# Altium PCB Srt.PcbDoc (part 2 of 2)
Units mm, origin at the board's own origin, x right, y up, seen from the top; angles counter-clockwise.
Board outline 65.29 x 47.26 mm, 2 copper layers (Top Layer, Bottom Layer); 197 components, 133 nets, 629 pads, 293 vias.
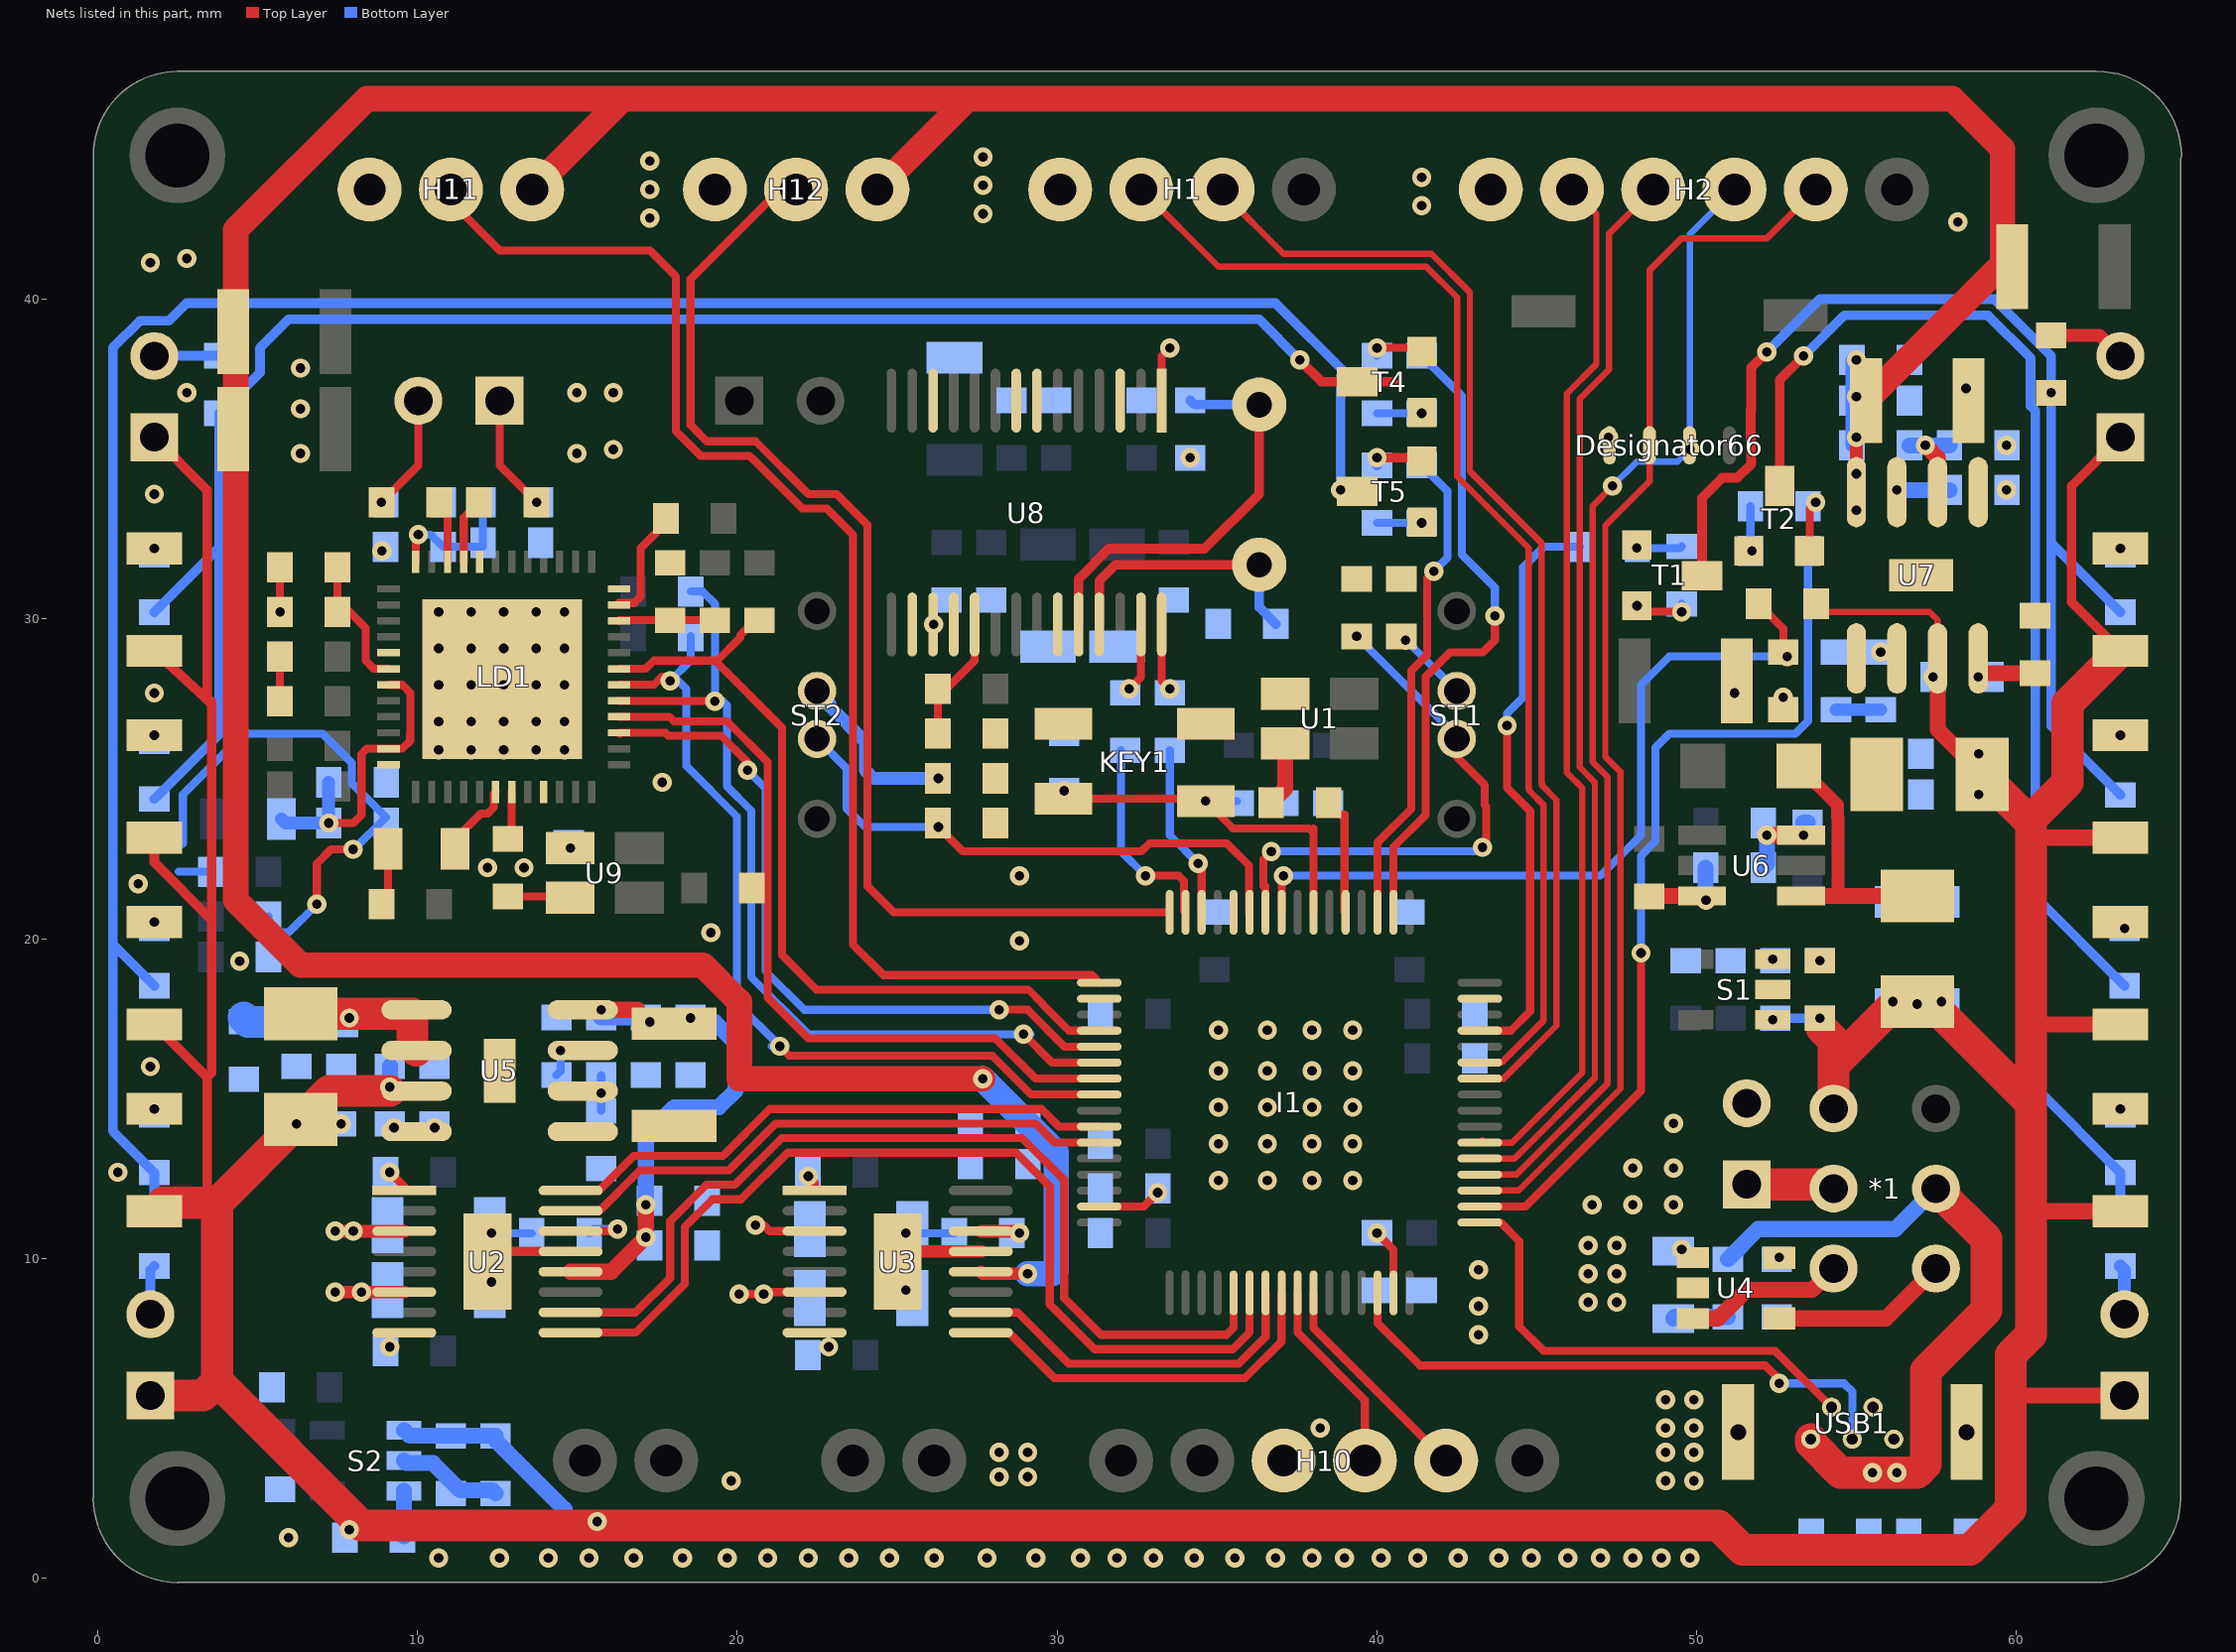
[diagram p2: the nets of this part, all layers, seen from the top]

## Via types
v1: diameter 0.6, hole 0.3, Top Layer to Bottom Layer, 293 vias

## Nets (pads, with @x,y where several pads share a name; then routed paths per layer and width w, separated by ;. In a path a pad name is that pad's centre, name@x,y a point inside that pad or via, vN(x,y) a via of type N, cw(c..) or ccw(c..) an arc to the next point about the centre after c; other vN are vias at no path point) (continued)
GND: C1.1 C2.1 C3.2 C4.1 C5.1 C6.1 C7.1 C8.1 C9.1 C10.1 C11.1 C12.2 C13.2 C14.2 C15.2 C16.2 C17.2 C18.1 C19.1 C20.1 C21.1 C22.1 C23.1 C24.1 C25.1 C26.1 C27.1 C28.2 C29.1 C30.1 C31.1 C32.1 C34.1 C35.1 C36.1 C37.1 C38.1 C39.2 C40.1 C41.1 C42.1 C43.1 C44.1 C45.1 C46.1 C47.1 C48.1 C49.1 C50.1 C51.1 C52.1 C53.1 C54.1 C55.1 C56.2 C57.2 C58.1 C59.1 C60.1 C61.1 C62.1 C63.2 C65.2 C67.1 C68.1 C69.1 Designator66.1 H1.4 H2.6 H10.3 H11.3 H12.3 H13.2 I1.12 I1.18 I1.63 KEY1.1 LD1.8 LD1.17 LD1.24 LD1.33 LD1.49 pad.0@12.573,15.875 pad.1@57.023,31.369 R3.2 R4.2 R5.1 R6.1 R7.1 R8.1 R27.1 R28.1 R30.1 R31.1 R33.2 R34.2 R37.2 R38.2 R40.1 R43.1 R48.2 R51.1 R52.1 R55.2 R57.1 R62.2 R65.2 S1.2 S2.2 T1.2 T2.2 T4.2 T5.2 U1.2 U2.13 U2.18 U3.13 U3.18 U4.2 U5.5 U6.3 U7.5 U8.1 U8.3 U8.7 U8.8 U8.12 U8.16 U8.17 U8.18 U8.23 U9.2 USB1.4 USB1.5 USB1.6 | length 40.2
  Top Layer w0.254: C68.1@5.704,31.623 C69.1@5.704,30.226 v1(5.715,30.226) ; v1(6.858,21.082) 6.858,22.352 7.304,22.798 v1(7.986,22.798) ; U8.17@26.124,29.83 v1(26.147,29.83) ; U8.1@33.274,36.83 33.274,38.227 v1(33.528,38.481) ; v1(40.005,38.481) 41.291,38.481 T4.2@41.411,38.362 ; T1.2@48.324,30.226 v1(49.53,30.226) ; T2.2@53.531,32.131 53.531,33.465 v1(53.721,33.655)
  Top Layer w0.3: U2.18@12.509,10.223 U2.13@14.792,10.223 ; v1(40.005,35.052) 41.291,35.052 T5.2@41.411,34.933
  Top Layer w0.4: U3.18@25.336,10.223 U3.13@27.619,10.223
  Top Layer w0.5: C34.1@48.53,21.341 U6.3@50.165,21.341
  Bottom Layer w0.254: 2.54,22.098 C62.1@3.545,22.098 ; 2.667,22.976 2.667,24.511 4.572,26.416 7.041,26.416 7.955,25.502 7.955,24.861 9.017,23.799 8.001,22.783 v1(7.986,22.798) ; C58.1@5.345,20.701 5.345,20.204 5.98,20.204 v1(6.858,21.082) ; v1(12.319,10.795) C12.2@13.578,10.795 ; R37.2@25.603,10.795 C15.2@26.786,10.795 ; C57.2@34.163,35.041 v1(34.163,35.052) ; R30.1@40.005,38.238 v1(40.005,38.481) ; v1(49.53,30.226) R27.1@49.53,30.469
  Bottom Layer w0.3: R31.1@40.005,34.809 v1(40.005,35.052)
  Bottom Layer w0.5: S2.2@9.582,3.683 9.659,3.606 10.491,3.606 11.345,2.752 12.35,2.752 C25.1@12.446,2.656 ; R52.1@50.281,22.225 50.281,21.22 v1(50.292,21.209)
  other v1: 10.668,0.635 12.573,0.635 14.097,0.635 15.367,0.635 16.764,0.635 18.288,0.635 19.685,0.635 20.955,0.635 22.225,0.635 23.495,0.635 24.765,0.635 26.162,0.635 27.813,0.635 29.337,0.635 30.734,0.635 31.877,0.635 33.02,0.635 34.29,0.635 35.56,0.635 36.83,0.635 37.973,0.635 38.989,0.635 40.132,0.635 41.275,0.635 42.545,0.635 43.815,0.635 44.831,0.635 45.974,0.635 46.99,0.635 48.006,0.635 48.895,0.635 49.784,0.635 5.969,1.27 19.812,3.048 49.022,3.048 49.911,3.048 28.194,3.175 29.083,3.175 28.194,3.937 29.083,3.937 49.022,3.937 49.911,3.937 38.227,4.699 49.022,4.699 49.911,4.699 49.022,5.588 49.911,5.588 43.18,7.62 43.18,8.509 46.609,8.636 47.498,8.636 25.273,9.017 12.319,9.271 46.609,9.525 47.498,9.525 43.18,9.652 46.609,10.414 47.498,10.414 25.273,10.795 46.736,11.684 48.006,11.684 49.276,11.684 35.052,12.446 36.576,12.446 37.973,12.446 39.243,12.446 0.635,12.7 48.006,12.827 49.276,12.827 35.052,13.589 36.576,13.589 37.973,13.589 39.243,13.589 49.276,14.224 35.052,14.732 36.576,14.732 37.973,14.732 39.243,14.732 35.052,15.875 36.576,15.875 37.973,15.875 39.243,15.875 1.651,16.002 35.052,17.145 36.576,17.145 37.973,17.145 39.243,17.145 4.445,19.304 53.848,19.315 28.829,19.939 19.177,20.193 1.27,21.717 28.829,21.971 12.192,22.225 13.335,22.225 14.783,22.835 17.653,24.892 10.668,25.908 11.684,25.908 12.7,25.908 13.716,25.908 14.605,25.908 10.668,26.797 11.684,26.797 12.7,26.797 13.716,26.797 14.605,26.797 52.705,27.559 1.778,27.686 51.181,27.686 10.668,27.94 11.684,27.94 12.7,27.94 13.716,27.94 14.605,27.94 10.668,29.083 11.684,29.083 12.7,29.083 13.716,29.083 14.605,29.083 10.668,30.226 11.684,30.226 12.7,30.226 13.716,30.226 14.605,30.226 48.133,30.416 8.89,32.131 1.778,33.909 59.69,34.036 6.35,35.179 14.986,35.179 16.129,35.306 59.69,35.433 47.244,35.687 6.35,36.576 2.794,37.084 14.986,37.084 16.129,37.084 58.42,37.211 6.35,37.846 1.651,41.148 2.794,41.275 58.166,42.418 17.272,42.545 27.686,42.672 41.402,42.926 17.272,43.434 27.686,43.561 41.402,43.815 17.272,44.323 27.686,44.45
HALL_T1CH1: H10.4 I1.41 | length 6.1
  Top Layer w0.254: I1.41@37.521,8.928 37.521,7.684 39.624,5.581 H10.4@39.624,3.683
HALL_T1CH2: H10.5 I1.42 | length 7
  Top Layer w0.254: I1.42@38.021,8.928 38.021,7.826 H10.5@42.164,3.683
IIC_SCL: H2.4 I1.53 | length 33.6
  Top Layer w0.2: I1.53@43.221,13.128 44.301,13.128 46.817,15.644 46.817,24.889 46.342,25.364 46.342,36.886 47.263,37.807 47.263,42.056 H2.4@48.641,43.434
IIC_SDA: H2.5 I1.54 | length 32.7
  Top Layer w0.2: I1.54@43.296,13.703 I1.54@43.221,13.628 44.235,13.628 46.417,15.81 46.417,24.723 45.942,25.198 45.942,37.052 46.863,37.973 46.863,42.672 H2.5@46.101,43.434
LD_CLK: LD1.31 R63.2 | length 1.5
  Top Layer w0.25: R63.2@12.827,23.125 12.95,23.248 LD1.31@12.95,24.594
LD_IRQ: LD1.48
LD_MD: LD1.46 R64.1 R65.1 | length 3
  Top Layer w0.25: LD1.46@16.3,29.944 16.317,29.961 R65.1@17.907,29.961 R64.1@19.304,29.961
LD_MICN: C66.2 H14.2 R62.1 | length 3.7
  Top Layer w0.25: v1(8.879,33.655) 10.033,34.809 H14.2@10.033,36.83
LD_MICP: C64.2 H14.1 R61.1 | length 3.7
  Top Layer w0.25: H14.1@12.573,36.83 12.573,34.809 v1(13.727,33.655)
LD_RST: LD1.47 R66.2 | length 3.6
  Top Layer w0.254: LD1.47@16.3,30.444 16.3,30.502 16.785,30.502 16.977,30.694 16.977,32.217 17.769,33.009 R66.2@17.769,33.147
LD_WR: I1.24 LD1.42 R71.2 | length 27.4
  Top Layer w0.25: LD1.42@16.3,27.944 17.395,27.944 17.645,28.194 17.907,28.194 v1(17.907,28.067) ; v1(21.336,16.637) 21.627,16.346 27.976,16.346 29.194,15.128 I1.24@31.321,15.128
  Bottom Layer w0.25: R71.2@18.553,29.464 18.553,28.713 v1(17.907,28.067) 18.161,28.067 18.415,27.813 18.415,25.4 19.986,23.829 19.986,18.619 19.997,18.608 19.997,17.976 v1(21.336,16.637) v1@21.082,16.637
LED1: I1.2 R25.2 | length 20.3
  Top Layer w0.254: I1.2@40.521,20.828 40.521,22.868 41.529,23.876 41.529,28.194 42.291,28.956 43.307,28.956 43.688,29.337 v1(43.688,30.099)
  Bottom Layer w0.254: R25.2@41.402,38.238 42.658,36.982 42.658,32.018 43.688,30.988 v1(43.688,30.099)
LED2: I1.3 R26.2 | length 15.3
  Top Layer w0.254: I1.3@40.021,20.828 40.021,23.01 41.075,24.064 41.075,28.382 41.573,28.88 41.573,31.286 v1(41.783,31.496) v1@41.7,31.496
  Bottom Layer w0.254: R26.2@41.402,34.809 42.204,34.007 42.204,31.917 v1(41.783,31.496)
LED3: I1.61 R22.2 | length 18.2
  Top Layer w0.254: I1.61@43.221,17.128 44.186,17.128 44.79,17.732 44.79,24.003 44.069,24.724 v1(44.069,26.67)
  Bottom Layer w0.254: v1(44.069,26.67) 44.069,27.051 44.577,27.559 44.577,31.623 45.212,32.258 R22.2@46.344,32.258
LED4: I1.50 R23.2 | length 27.9
  Top Layer w0.254: I1.50@43.221,11.628 44.648,11.628 48.26,15.24 v1(48.26,19.558)
  Bottom Layer w0.254: v1(48.26,19.558) 48.26,22.602 48.712,23.054 48.712,25.979 49.149,26.416 53.086,26.416 53.478,26.808 R23.2@53.478,32.131
MBS: C63.1 C65.1 LD1.12 R61.2 | length 4.4
  Top Layer w0.25: LD1.12@9.95,31.794 9.95,32.556 v1(10.033,32.639)
  Bottom Layer w0.25: v1(10.033,32.639) 10.425,32.639 C65.1@10.806,32.258 ; C65.1@10.817,32.269 12.054,32.269 R61.2@12.054,33.655
MICN: C66.1 LD1.10 | length 2
  Top Layer w0.25: C66.1@10.679,33.655 10.947,33.387 LD1.10@10.947,31.794
MICP: C64.1 LD1.9 | length 2.1
  Top Layer w0.25: LD1.9@11.45,31.794 11.45,33.178 C64.1@11.927,33.655
Net*1_2: *1.2 U4.4 | length 5.5
  Top Layer w0.5: U4.4@52.578,8.128 55.916,8.128 *1.2@57.48,9.692
Net*1_4: *1.4 H13.1 | length 2.8
  Top Layer w1: H13.1@51.562,12.319 54.153,12.319 *1.4@54.28,12.192
Net*1_5: *1.5 U4.3 | length 5
  Top Layer w0.5: U4.3@49.878,8.128 50.673,8.128 51.562,9.017 53.605,9.017 *1.5@54.28,9.692
NetC12_1: C12.1 U2.14 | length 2.4
  Top Layer w0.254: U2.14@14.792,10.858 16.192,10.858 v1(16.256,10.922)
  Bottom Layer w0.254: C12.1@15.378,10.795 15.505,10.922 v1(16.256,10.922)
NetC15_1: C15.1 U3.14 | length 1.2
  Top Layer w0.4: U3.14@27.619,10.858 28.765,10.858 v1(28.829,10.795)
NetC28_1: C28.1 R46.2 | length 1.4
  Bottom Layer w1: C28.1@4.572,17.537 4.71,17.399 R46.2@5.958,17.399
NetC33_1: C33.1 R50.1 R52.2 U6.6 | length 2.3
  Top Layer w0.5: v1(52.197,23.241) U6.6@53.265,23.241 v1(53.34,23.241)
  Bottom Layer w0.5: R52.2@52.081,22.225 52.197,22.341 v1(52.197,23.241) ; C33.1@53.34,23.633 C33.1@53.467,23.633
NetC38_2: C38.2 R49.2 U5.4
  other v1: 9.271,14.097 10.541,14.097
NetC39_1: C39.1 R53.2 | length 1.4
  Bottom Layer w0.4: C39.1@54.356,27.167 R53.2@55.753,27.167
NetC45_2: C45.2 R56.2 U7.4 | length 2.4
  Top Layer w0.4: v1(58.801,28.194) U7.4@58.801,28.769
  Top Layer w0.5: v1(58.801,28.194) 58.917,28.31 C45.2@60.579,28.31
NetC56_1: C56.1 U8.25 X1.2 | length 8.6
  Top Layer w0.3: U8.25@31.324,29.83 31.324,31.197 31.826,31.699 X1.2@36.322,31.699
  Bottom Layer w0.3: X1.2@36.322,31.699 36.322,30.364 C56.1@36.841,29.845
NetC57_1: C57.1 U8.24 X1.1 | length 13.2
  Top Layer w0.3: U8.24@30.674,29.83 30.674,31.254 31.619,32.199 34.612,32.199 36.322,33.909 X1.1@36.322,36.703
  Bottom Layer w0.3: C57.1@34.163,36.841 34.301,36.703 X1.1@36.322,36.703
NetC70_1: C70.1 R72.1 | length 1.4
  Top Layer w0.25: R72.1@5.704,27.432 C70.1@5.704,28.829
NetD1_1: D1.1 L11.2 U6.4 | length 8.2
  Top Layer w0.4: D1.1@53.189,25.4 54.401,24.188 54.401,23.816 54.415,23.802 54.415,21.404 54.483,21.336
  Top Layer w0.5: U6.4@53.265,21.341 53.27,21.336 54.483,21.336 L11.2@56.896,21.336
NetH3_2: H3.2 R17.2 | length 2.4
  Top Layer w0.4: R17.2@61.087,38.873 62.6,38.873 H3.2@63.246,38.227
NetH4_2: H4.2 R18.2 | length 1.6
  Bottom Layer w0.4: R18.2@63.246,9.768 63.373,9.641 H4.2@63.373,8.255
NetH6_2: H6.2 R20.2 | length 2
  Bottom Layer w0.3: H6.2@1.778,38.227 1.789,38.238 R20.2@3.81,38.238
NetH7_2: H7.2 R21.2 | length 1.6
  Bottom Layer w0.3: H7.2@1.651,8.255 1.651,9.641 R21.2@1.778,9.768
NetL1_2: L1.2 R9.2
  other v1: 63.246,32.207
NetL2_2: L2.2 R10.2
  other v1: 63.246,26.365
NetL3_2: L3.2 R11.2
  other v1: 63.246,14.681
NetL4_2: L4.2 R12.2
  other v1: 63.373,20.32
NetL5_2: L5.2 R13.2
  other v1: 1.778,32.207
NetL6_2: L6.2 R14.2
  other v1: 1.778,26.365
NetL7_2: L7.2 R15.2
  other v1: 1.778,20.523
NetL8_2: L8.2 R16.2
  other v1: 1.778,14.681
NetL9_1: L9.1 R41.1 | length 1.7
  Bottom Layer w0.5: L9.1@49.272,8.13 49.321,8.178 R41.1@50.974,8.178
NetL9_2: L9.2 U4.1
  other v1: 49.53,10.287
NetL10_2: L10.2 R46.1 U5.1 U5.2 | length 4.7
  Top Layer w1: L10.2@6.35,17.653 9.846,17.653 9.846,16.637 U5.2@9.973,16.51
  other v1: 7.874,17.526
NetL12_2: L12.2 R53.1 U7.1 U7.2
  other v1: 55.753,28.967
NetL14_1: L14.1 R68.1 | length 1.5
  Top Layer w0.25: R68.1@9.085,21.288 L14.1@9.085,22.809
NetL14_2: L14.2 LD1.30 | length 2.4
  Top Layer w0.25: L14.2@11.185,22.809 11.185,23.123 11.981,23.919 12.2,23.919 12.39,24.109 12.39,24.534 LD1.30@12.45,24.594
NetR2_1: R2.1 U1.3 | length 2
  Top Layer w0.5: R2.1@36.692,24.257 37.135,24.7 U1.3@37.135,26.111
NetR5_2: R5.2 ST1.2 | length 2.3
  Bottom Layer w0.25: v1(40.894,29.337) 40.913,29.337 ST1.2@42.5,27.75
NetR7_2: R7.2 ST2.2 | length 5.5
  Bottom Layer w0.4: ST2.2@22.5,27.75 22.914,27.336 22.914,27.25 24.003,26.161 24.003,25.273 24.257,25.019 v1(26.289,25.019)
NetR9_1: R9.1 R10.1 R17.1 T1.3 | length 36.1
  Top Layer w0.3: T1.3@50.165,31.356 50.165,33.782 50.8,34.417 51.276,34.417 51.704,34.845 51.704,35.59 51.689,35.605 51.689,36.546 51.704,36.561 51.704,37.861 v1(52.197,38.354)
  Bottom Layer w0.3: v1(52.197,38.354) 53.848,40.005 59.309,40.005 61.087,38.227 v1(61.087,37.084) 61.087,32.374 ; R10.1@63.246,24.5 61.087,26.659 61.087,32.374 ; R9.1@63.246,30.215 61.087,32.374
NetR11_1: R11.1 R12.1 R18.1 T2.3 | length 44.3
  Top Layer w0.3: T2.3@52.591,34.163 52.591,37.478 v1(53.34,38.227)
  Bottom Layer w0.3: v1(53.34,38.227) 54.61,39.497 59.11,39.497 60.437,38.17 60.437,36.665 60.587,36.515 60.587,21.317 ; R18.1@63.246,11.568 R11.1@63.246,12.689 60.587,15.348 60.587,21.317 ; R12.1@63.373,18.531 60.587,21.317
NetR13_1: R13.1 R14.1 R20.1 T4.3 | length 55
  Top Layer w0.3: v1(37.592,38.1) 38.27,37.422 40.522,37.422
  Bottom Layer w0.3: R14.1@1.778,24.373 3.81,26.405 3.81,32.247 ; R13.1@1.778,30.215 3.81,32.247 ; v1(37.592,38.1) 36.314,39.378 5.977,39.378 5.08,38.481 5.08,37.708 R20.1@3.81,36.438 3.81,32.247
NetR15_1: R15.1 R16.1 R21.1 T5.3 | length 73.1
  Top Layer w0.3: v1(38.862,34.036) T5.3@38.914,33.984 ; T5.3@39.37,33.984 T5.3@39.379,33.993
  Bottom Layer w0.3: R21.1@1.778,11.568 R16.1@1.778,12.689 0.477,13.99 0.477,19.832 ; R15.1@1.778,18.531 0.477,19.832 ; v1(38.862,34.036) 38.862,37.592 ; 39.116,37.592 36.83,39.878 2.785,39.878 2.234,39.327 1.322,39.327 0.477,38.482 0.477,19.832
NetR22_1: R22.1 R27.2 T1.1 | length 1.4
  Bottom Layer w0.254: v1(48.13,32.219) 49.48,32.219 R27.2@49.53,32.269
NetR23_1: R23.1 R28.2 T2.1 | length 1.5
  Top Layer w0.254: T2.1@51.626,32.131 v1(51.725,32.131)
  Bottom Layer w0.254: R23.1@51.678,32.131 R28.2@51.678,33.528
NetR25_1: R25.1 R30.2 T4.1 | length 1.4
  Bottom Layer w0.254: R30.2@40.005,36.438 v1(41.402,36.438)
NetR26_1: R26.1 R31.2 T5.1 | length 1.4
  Bottom Layer w0.254: R31.2@40.005,33.009 v1(41.402,33.009)
NetR32_1: R32.1 U2.1 | length 0.8
  Top Layer w0.254: v1(9.144,12.7) 9.592,12.252 U2.1@9.592,12.128
NetR33_1: R33.1 U2.3 | length 2.2
  Top Layer w0.4: v1(7.429,10.858) U2.3@9.592,10.858
  other v1: 8.001,10.858
NetR34_1: R34.1 U2.6 | length 2.2
  Top Layer w0.4: v1(7.429,8.954) U2.6@9.592,8.954
  other v1: 8.255,8.954
NetR35_1: R35.1 U2.8
  other v1: 9.144,7.239
NetR36_1: R36.1 U3.1 | length 0.5
  Top Layer w0.254: v1(22.225,12.573) 22.419,12.379 U3.1@22.419,12.128
NetR37_1: R37.1 U3.3 | length 1.9
  Top Layer w0.254: v1(20.574,11.049) 20.828,11.049 21.018,10.858 U3.3@22.419,10.858
NetR38_1: R38.1 U3.6 | length 2.4
  Top Layer w0.254: v1(20.066,8.89) v1(20.828,8.89) 20.892,8.954 U3.6@22.419,8.954
NetR39_1: R39.1 U3.8
  other v1: 22.86,7.239
NetR40_2: R40.2 U4.5 | length 0
  Top Layer w0.5: U4.5@52.578,10.028 v1(52.583,10.033)
NetR44_1: R44.1 S1.3
  other v1: 52.381,19.365
NetR45_1: R45.1 S2.3 | length 1.4
  Bottom Layer w0.5: R45.1@9.582,1.316 S2.3@9.582,2.733
NetR47_1: R47.1 R51.2 U5.6 | length 1.1
  Bottom Layer w0.25: R51.2@15.748,14.616 R47.1@15.748,15.737
  other v1: 15.748,15.176
NetR48_1: R48.1 U5.7 | length 1.5
  Top Layer w0.25: v1(14.478,16.51) U5.7@15.173,16.51
  Bottom Layer w0.25: R48.1@14.351,15.737 14.478,15.864 v1(14.478,16.51)
NetR54_1: R54.1 R57.2 U7.6 | length 2.2
  Top Layer w0.5: v1(57.15,35.433) 57.531,35.052 U7.6@57.531,34.671
  Bottom Layer w0.5: R54.1@56.653,35.433 v1(57.15,35.433) R57.2@57.901,35.433
NetR55_1: R55.1 U7.7 | length 1.6
  Bottom Layer w0.5: v1(56.261,34.036) R55.1@57.901,34.036
NetR63_1: R63.1 U9.3 | length 2
  Top Layer w0.25: R63.1@12.827,21.325 14.743,21.325 U9.3@14.783,21.285
NRST: C3.1 I1.7 KEY1.2 R1.2 | length 11.7
  Top Layer w0.25: KEY1.2@30.226,24.384 KEY1.2@34.569,24.384 ; v1(34.646,24.308) 35.496,23.457 37.884,23.457 38.021,23.32 ; I1.7@38.021,20.828 38.021,23.447
  Bottom Layer w0.25: v1(34.646,24.308) R1.2@35.625,24.308
  other v1: 30.226,24.627
OSC_IN: I1.5 R2.2 | length 3.8
  Top Layer w0.25: R2.2@38.492,24.257 38.989,23.76 ; 38.989,23.887 38.989,20.86 I1.5@39.021,20.828
RST: C51.2 R58.1 U8.19 | length 3.9
  Top Layer w0.254: C51.2@26.278,26.416 26.278,27.548 27.424,28.694 U8.19@27.424,29.83
RXD: R59.1 U8.28 | length 2.1
  Top Layer w0.25: U8.28@33.274,29.83 33.274,28.067 v1(33.528,27.813)
SPI_CS: I1.20 LD1.43 R67.2 | length 25.9
  Top Layer w0.25: LD1.43@16.3,28.444 17.141,28.444 17.399,28.702 19.304,28.702 ; R67.2@20.563,29.961 20.104,29.502 20.104,29.426 19.38,28.702 19.304,28.702 ; I1.20@31.321,17.128 30.371,17.128 29.543,17.956 29.543,17.977 29.105,18.415 22.479,18.415 21.405,19.489 21.405,26.601 19.304,28.702
SPI_MISO: I1.22 LD1.41 R69.2 | length 28.4
  Top Layer w0.25: LD1.41@16.3,27.444 16.302,27.442 v1@19.294,27.442 ; v1(28.956,17.018) 29.846,16.128 I1.22@31.321,16.128
  Bottom Layer w0.25: R69.2@18.553,30.861 18.923,30.861 19.304,30.48 v1(19.304,27.432) 19.558,27.432 19.685,27.305 19.685,24.766 20.436,24.015 20.436,18.806 22.224,17.018 v1@29.174,17.018
SPI_MOSI: I1.23 LD1.40 R70.2 | length 24
  Top Layer w0.25: LD1.40@16.3,26.944 17.887,26.944 18.024,26.807 19.675,26.807 20.955,25.527 20.955,18.161 22.225,16.891 28.067,16.891 29.33,15.628 I1.23@31.321,15.628
SPI_SCK: I1.21 LD1.39 | length 22.6
  Top Layer w0.25: LD1.39@16.324,26.421 LD1.39@16.3,26.444 17.751,26.444 17.838,26.357 19.489,26.357 20.32,25.526 v1(20.32,25.273) ; v1(28.194,17.78) 28.205,17.791 29.093,17.791 29.093,17.77 30.235,16.628 I1.21@31.321,16.628
  Bottom Layer w0.25: v1(20.32,25.273) 20.886,24.707 20.886,18.992 22.098,17.78 v1(28.194,17.78)
ST_ADC1: I1.10 R6.2 ST1.3 | length 17.1
  Top Layer w0.25: I1.10@36.521,20.828 36.521,21.65 36.459,21.65 36.459,22.489 v1(36.703,22.733) ; R6.2@39.37,29.453 v1(39.37,29.464) ; ST1.3@42.5,26.25 42.5,25.688 43.376,24.812 43.376,24.182 43.425,24.133 43.425,23.105 43.307,22.987 v1(43.307,22.86)
  Bottom Layer w0.25: v1(36.703,22.733) 43.18,22.733 v1(43.307,22.86) ; v1(39.37,29.464) 42.5,26.334 ST1.3@42.5,26.25
ST_ADC2: I1.11 R8.2 ST2.3 | length 17.6
  Top Layer w0.25: v1(26.289,23.495) 27.051,22.733 32.639,22.733 32.893,22.987 35.306,22.987 36.009,22.284 36.009,20.828 I1.11@36.021,20.828
  Bottom Layer w0.25: ST2.3@22.5,26.25 23.425,25.325 23.425,24.073 24.003,23.495 v1(26.289,23.495)
SWCLK: I1.49 USB1.2 | length 14.9
  Top Layer w0.254: I1.49@43.221,11.128 43.863,11.128 44.45,10.541 44.45,7.874 45.212,7.112 52.454,7.112 USB1.2@54.214,5.352
SWDIO: I1.46 USB1.3 | length 18.3
  Top Layer w0.254: I1.46@40.021,8.928 40.021,7.985 41.348,6.658 52.143,6.658 52.578,6.223 v1(52.578,6.096) ; USB1.3@54.864,4.318 USB1.3@54.864,4.352
  Bottom Layer w0.254: v1(52.578,6.096) 54.61,6.096 54.864,5.842 USB1.3@54.864,4.352
T3CH1: I1.37 U2.10 | length 29.9
  Top Layer w0.254: U2.10@14.792,8.319 16.828,8.319 17.907,9.398 17.907,11.176 19.038,12.307 19.934,12.307 21.395,13.768 28.904,13.768 30.226,12.446 30.226,8.763 31.369,7.62 35.306,7.62 35.521,7.835 I1.37@35.521,8.928
T3CH2: I1.38 U2.9 | length 30.8
  Top Layer w0.254: U2.9@14.792,7.683 16.835,7.683 18.361,9.21 18.361,10.988 19.226,11.853 20.122,11.853 21.583,13.314 28.716,13.314 29.772,12.258 29.772,8.575 31.181,7.166 35.494,7.166 36.021,7.693 I1.38@36.021,8.928
T3CH3: I1.26 U2.16 | length 16.9
  Top Layer w0.254: U2.16@15.684,12.128 16.771,13.215 19.558,13.215 21.019,14.676 29.514,14.676 30.062,14.128 I1.26@31.321,14.128
T3CH4: I1.27 U2.15 | length 17.9
  Top Layer w0.254: U2.15@14.792,11.493 15.692,11.493 16.959,12.761 19.746,12.761 21.207,14.222 29.326,14.222 29.92,13.628 I1.27@31.321,13.628
T5CH3: H12.2 I1.16 | length 36.9
  Top Layer w0.254: H12.2@21.844,43.434 21.336,43.434 18.542,40.64 18.542,36.068 19.05,35.56 20.574,35.56 22.225,33.909 23.114,33.909 24.076,32.947 24.076,21.644 24.892,20.828 I1.16@33.521,20.828
T5CH4: H11.2 I1.17 | length 41
  Top Layer w0.254: H11.2@11.049,43.434 11.049,43.053 12.573,41.529 17.272,41.529 18.088,40.713 18.088,35.88 18.862,35.106 20.386,35.106 ; 20.44,35.052 22.037,33.455 22.806,33.455 23.622,32.639 23.622,19.812 24.567,18.867 31.082,18.867 I1.17@31.321,18.628
T8CH3: I1.39 U3.10 | length 11.3
  Top Layer w0.254: U3.10@27.619,8.319 28.765,8.319 30.372,6.712 35.682,6.712 36.521,7.551 I1.39@36.521,8.928
T8CH4: I1.40 U3.9 | length 12
  Top Layer w0.254: U3.9@27.619,7.683 28.49,7.683 29.916,6.258 35.87,6.258 37.021,7.409 I1.40@37.021,8.928
TXD: R60.1 U8.27 | length 2.2
  Top Layer w0.25: v1(32.258,27.813) 32.624,28.179 U8.27@32.624,29.83
UART1_RX: H1.3 I1.59 | length 37.5
  Top Layer w0.2: H1.3@32.639,43.434 35.052,41.021 41.541,41.021 42.507,40.055 42.507,34.455 44.742,32.22 44.742,24.701 44.758,24.685 44.758,24.638 45.217,24.179 45.217,17.448 43.897,16.128 I1.59@43.221,16.128
UART1_TX: H1.2 I1.58 | length 36.3
  Top Layer w0.2: H1.2@35.179,43.434 35.179,43.326 37.084,41.421 41.706,41.421 42.907,40.22 42.907,34.621 45.142,32.386 45.142,24.867 45.158,24.851 45.158,24.804 45.617,24.345 45.617,17.282 43.963,15.628 I1.58@43.221,15.628
UART3_RX: Designator66.3 H2.3 I1.52 | length 35.9
  Top Layer w0.2: I1.52@43.221,12.628 44.366,12.628 47.217,15.479 47.217,25.055 46.742,25.53 46.742,33.534 v1(47.371,34.163)
  Bottom Layer w0.2: v1(47.371,34.163) 48.133,34.925 49.403,34.925 v1(49.784,35.306) 49.784,42.037 H2.3@51.181,43.434
UART3_TX: Designator66.2 H2.2 I1.51 | length 38.3
  Top Layer w0.2: I1.51@43.221,12.128 44.432,12.128 47.617,15.313 47.617,25.22 47.142,25.695 47.142,32.918 48.524,34.3 Designator66.2@48.524,35.433 48.524,40.904 49.53,41.91 52.197,41.91 H2.2@53.721,43.434
UART4_RX: I1.15 R60.2 | length 6.5
  Top Layer w0.25: v1(32.766,21.971) 33.807,21.971 33.971,21.807 33.971,20.878 I1.15@34.021,20.828
  Bottom Layer w0.25: R60.2@32.004,25.908 32.004,22.733 v1(32.766,21.971)
UART4_TX: I1.14 R59.2 | length 5.6
  Top Layer w0.25: v1@34.303,22.238 v1(34.417,22.352) 34.521,22.248 I1.14@34.521,20.828
  Bottom Layer w0.25: R59.2@33.528,25.897 33.528,23.241 v1(34.417,22.352)
V_ADC: I1.9 R42.2 R43.2 | length 24.3
  Top Layer w0.25: I1.9@37.021,20.828 37.021,21.908 v1(37.084,21.971) ; R42.2@51.932,30.48 52.705,29.707 R43.2@52.705,28.967
  Bottom Layer w0.25: v1(37.084,21.971) 46.99,21.971 48.26,23.241 48.26,27.94 49.149,28.829 v1(52.832,28.829)
VBAT: *1.6 C20.2 C21.2 C24.2 C25.2 C29.2 C30.2 C36.2 C40.2 C41.2 H3.1 H4.1 H6.1 H7.1 L1.1 L2.1 L3.1 L4.1 L5.1 L6.1 L7.1 L8.1 L10.1 L11.1 L12.1 R42.1 R44.2 R45.2 R49.1 R56.1 S1.1 S2.1 U5.3 U7.3 | length 187.5
  Top Layer w0.2: R42.1@53.732,30.48 53.986,30.226 57.277,30.226 57.531,29.972 U7.3@57.531,28.769
  Top Layer w0.3: L7.1@1.778,17.323 3.429,15.672 ; L6.1@1.778,23.165 1.778,22.393 3.568,20.603 ; L5.1@1.778,29.007 3.387,27.513 3.525,27.385 3.556,27.356 ; H6.1@1.778,35.687 3.429,34.036 3.429,27.557 ; 3.568,27.432 3.568,20.603 ; 3.742,11.743 3.429,12.056 3.429,15.672 ; L1.1@63.246,29.007 61.722,30.531 61.722,34.163 H3.1@63.246,35.687 ; 3.429,15.672 3.568,15.811 3.568,20.603
  Top Layer w0.5: U7.3@57.531,28.194 57.531,26.543 L12.1@58.928,25.146 ; 59.817,5.588 59.944,5.715 H4.1@63.373,5.715 ; 60.503,11.481 L3.1@63.246,11.481 ; 60.503,23.165 L2.1@63.246,23.165 ; 60.528,17.323 L4.1@63.246,17.323
  Top Layer w1: H7.1@1.651,5.715 3.293,5.715 3.742,6.164 ; L8.1@2.04,11.743 3.742,11.743 ; U5.3@9.144,15.24 7.239,15.24 L10.1@6.35,14.351 3.742,11.743 ; C21.2@53.906,17.203 54.28,16.829 54.28,16.053 ; *1.6@54.28,14.692 54.28,16.053 ; L12.1@58.928,25.146 60.452,23.622 ; L1.1@63.246,29.007 61.595,27.356 61.595,24.892 60.452,23.749 60.452,23.622 ; 3.742,6.164 3.742,11.743 ; 3.742,6.164 8.255,1.651 50.673,1.651 51.435,0.889 58.547,0.889 59.817,2.159 59.817,5.588 59.817,6.985 60.452,7.62 60.452,14.859 ; 54.28,16.053 56.261,18.034 L11.1@56.896,18.034 57.277,18.034 60.452,14.859 ; 60.452,14.859 60.452,23.622
  Bottom Layer w0.3: R44.2@52.451,17.515 v1(53.848,17.515)
  Bottom Layer w0.5: v1(9.144,15.367) R49.1@9.144,16.013 ; S2.1@9.582,4.633 9.759,4.456 C24.2@11.049,4.456 C25.2@12.446,4.456 12.446,4.318 14.605,2.159 14.605,1.778 v1(15.621,1.778)
  other v1: 7.874,1.524 6.223,14.213 7.62,14.213 52.381,17.465 56.896,17.958 56.134,18.034 57.658,18.034 58.812,24.511 58.812,25.781 57.393,28.194
VBUS: *1.1 C18.2 C19.2 R41.2 USB1.1 | length 21.7
  Top Layer w1: USB1.1@53.564,4.352 53.564,4.238 54.5,3.302 56.896,3.302 57.164,3.57 57.164,6.491 59.055,8.382 59.055,10.617 *1.1@57.48,12.192
  Bottom Layer w0.5: R41.2@50.974,9.978 51.918,10.922 56.21,10.922 *1.1@57.48,12.192
  other v1: 55.499,3.302 56.261,3.302
VCAP1: C10.2 I1.31 | length 2
  Top Layer w0.25: I1.31@31.321,11.628 32.71,11.628 v1(33.147,12.065)
VCAP2: C11.2 I1.47 | length 2.1
  Top Layer w0.25: v1(40.005,10.795) 40.521,10.279 I1.47@40.521,8.928
VDDA: C60.2 C61.2 L13.1 LD1.19 LD1.23 | length 9.8
  Top Layer w0.254: v1(7.228,23.622) 8.001,23.622 8.255,23.876 8.255,25.781 8.418,25.944 LD1.23@9.1,25.944 9.527,25.944 9.777,26.194 9.777,26.414 9.779,26.416 9.779,27.692 9.527,27.944 LD1.19@9.1,27.944
  Bottom Layer w0.4: L13.1@5.749,23.749 5.876,23.622 v1(7.228,23.622) C60.2@7.228,24.892
VM_1: C13.1 C14.1 C31.2 C32.2 C35.2 R47.2 U2.12 U5.8 | length 17
  Top Layer w0.5: U2.12@14.792,9.588 16.066,9.588 v1(17.145,10.668) v1(17.145,11.684) ; U5.8@15.173,17.78 v1(15.748,17.78) C35.2@16.891,17.78
  Bottom Layer w0.5: R47.2@15.748,17.537 C31.2@17.134,17.537 ; v1(17.145,11.684) 17.145,13.843 18.034,14.732 19.431,14.732 19.939,15.24 19.939,16.764 19.304,17.399 C32.2@18.415,17.399 ; C31.2@17.272,17.537 C32.2@18.542,17.537
  other v1: 17.272,17.399 18.542,17.526
VM_2: C16.1 C17.1 C42.2 C43.2 C44.2 Designator67.1 Designator68.1 Designator70.1 H11.1 H12.1 R54.2 U3.12 U7.8 | length 137.9
  Top Layer w0.4: U3.12@27.619,9.588 27.682,9.525 v1(29.083,9.525) ; U7.8@54.991,33.969 C44.2@54.991,36.525
  Top Layer w0.8: H11.1@13.589,43.434 16.428,46.273 ; H12.1@24.384,43.434 27.223,46.273 ; v1(27.675,15.621) 20.066,15.621 20.066,18.034 18.923,19.177 6.35,19.177 4.318,21.209 4.318,42.164 8.427,46.273 16.428,46.273 ; C44.2@55.296,36.83 59.563,41.097 59.563,44.704 57.994,46.273 27.223,46.273 ; 16.428,46.273 27.223,46.273
  Bottom Layer w0.4: R54.2@54.853,35.433 C42.2@54.853,36.83 C43.2@54.853,38.1
  Bottom Layer w0.8: v1(27.675,15.621) 29.972,13.324 29.972,9.652 29.845,9.525 v1(29.083,9.525)
  other v1: 54.991,33.401 54.991,34.544 54.991,35.687 54.991,36.957 54.991,38.1
VREF: C68.2 C69.2 LD1.18 | length 4.1
  Top Layer w0.254: C68.2@7.504,31.623 7.504,30.596 8.382,29.718 8.382,28.702 8.64,28.444 LD1.18@9.1,28.444
pads on no net: *1.3 Designator67.2 Designator68.2 Designator70.2 I1.4 I1.6 I1.8 I1.25 I1.29 I1.30 I1.33 I1.34 I1.35 I1.36 I1.43 I1.44 I1.45 I1.55 I1.56 I1.62 LD1.2 LD1.3 LD1.4 LD1.5 LD1.6 LD1.11 LD1.13 LD1.14 LD1.15 LD1.16 LD1.25 LD1.26 LD1.27 LD1.28 LD1.29 LD1.34 LD1.35 LD1.36 LD1.37 LD1.38 LD1.44 LD1.45 S1.4 S2.4 U1.1 U2.11 U3.11 U3.15 U3.16 U6.2 U8.5 U8.13 U8.14 U8.15 U9.1

## Polygon pours and split planes (outlines as drawn)
NetR38_1 on Top Layer "Top Layer-No Net" (solid, remove dead copper, pour order 4): 23.368,8.509 23.368,9.398 23.118,9.648 19.808,9.648 19.391,9.231 19.391,8.57 19.452,8.509 23.114,8.509
GND on Top Layer "Top Layer-No Net" (solid, remove dead copper, pour order 23): 4.953,0 47.244,0 47.244,6.096 47.244,6.35 30.226,6.35 29.194,6.35 29.194,15.128 29.194,18.542 4.572,18.542
GND on Top Layer "Top Layer-No Net" (solid, remove dead copper, pour order 27): 4.699,0 4.699,3.556 ccw(c3.81,3.556) 3.81,4.445 0,4.445 0,42.291 2.794,42.291 ccw(c2.794,43.942) 4.445,43.942 4.445,46.99 60.198,46.99 60.198,47 60.198,44.196 ccw(c61.976,44.196) 61.976,42.418 64.873,42.418 ccw(c64.873,42.545) 65,42.545 65,4.572 62.23,4.572 ccw(c62.23,2.794) 60.452,2.794 60.452,0 47.498,0 47.498,2.032 30.353,2.032 cw(c30.353,2.286) 30.099,2.286 30.099,16.052 ccw(c29.365,16.052) 29.365,16.786 21.187,16.786 cw(c21.187,17.272) 20.701,17.272 ccw(c19.05,17.272) 19.05,18.923 4.953,18.923
GND on Bottom Layer "Top Layer-No Net" (solid, remove dead copper, pour order 21): 3.556,16.383 3.556,5.461 4.318,5.461 cw(c4.318,4.953) 4.826,4.953 4.826,0 47.371,0 cw(c47.371,0.127) 47.244,0.127 47.244,6.096 ccw(c46.99,6.096) 46.99,6.35 30.353,6.35 cw(c30.353,7.62) 29.083,7.62 29.083,10.16 29.083,17.272 ccw(c27.94,17.272) 27.94,18.415 4.191,18.415 ccw(c4.191,17.653) 3.429,17.653
GND on Bottom Layer "Top Layer-No Net" (solid, remove dead copper, pour order 29): 4.826,0 4.826,3.683 ccw(c4.191,3.683) 4.191,4.318 0,4.318 0,42.291 3.175,42.291 ccw(c3.175,43.815) 4.699,43.815 4.699,46.873 ccw(c4.572,46.873) 4.572,47 60.198,47 60.198,43.688 ccw(c61.341,43.688) 61.341,42.545 64.873,42.545 cw(c64.873,42.418) 65,42.418 65,4.675 cw(c64.897,4.675) 64.897,4.572 61.976,4.572 ccw(c61.976,3.175) 60.579,3.175 60.579,0 47.625,0 47.625,6.35 ccw(c47.371,6.35) 47.371,6.604 29.972,6.604 cw(c29.972,6.985) 29.591,6.985 29.591,16.383 ccw(c28.956,16.383) 28.956,17.018 24.892,17.018 21.267,17.018 cw(c21.267,18.288) 19.997,18.288 ccw(c19.324,18.288) 19.324,18.961 3.539,18.961 ccw(c3.539,18.724) 3.302,18.724 3.302,5.715 ccw(c3.937,5.715) 3.937,5.08 4.318,5.08 cw(c4.318,4.953) 4.445,4.953 4.445,0

## Keep-outs
Keep-Out Layer:
  lines w0.254: -0.006,2.5 ccw(c2.5,2.5) 2.5,-0.006 ; 0,2.54 0,44.5 cw(c2.5,44.5) 2.5,47 62.5,47 cw(c62.516,44.487) 65.029,44.484 ; 2.54,0 62.5,0 ; 62.484,0 ccw(c62.5,2.5) 65,2.5 ; 65,2.5 65,44.484

## Other copper
Top Layer:
  rectangle net NetR35_1: 8.509,6.731 9.525,7.747
  rectangle net NetR39_1: 21.59,6.985 22.987,7.874
  rectangle net VBAT: 6.985,13.589 8.255,15.24
  rectangle net NetL12_2: 54.737,24.511 56.388,29.845
  rectangle net VM_2: 54.483,32.766 55.753,38.608
  rectangle net 3V3_1: 49.149,17.145 51.562,17.907
  rectangle net GND: 47.244,0.381 50.165,0.945
Bottom Layer:
  rectangle net NetR34_1: 7.239,8.128 9.525,9.906
  rectangle net NetR33_1: 7.239,10.16 9.525,11.938
  rectangle net NetR37_1: 20.193,10.033 22.733,11.811
  rectangle net NetR38_1: 19.685,7.874 21.844,9.652
  rectangle net VM_2: 54.483,32.766 55.753,38.608
  rectangle net VBUS: 55.118,1.016 56.769,3.683
  rectangle net GND: 46.736,0.333 47.63,6.35

## Dimensions
62.5,47 to 62.5,0 on Mechanical 1
0,44.5 to 65,44.484 on Mechanical 1

## Text inside footprints (layer, text, board x,y; h text height)
LD1: Top Overlay "*" at 15.748,32.664 h2 r270